# Altium PCB BreakOutBoard_Cyclone.PcbDoc (part 5 of 6)
Units mm, origin at the board's own origin, x right, y up, seen from the top; angles counter-clockwise.
Board outline 360 x 235.6 mm, 2 copper layers (Top Layer, Bottom Layer); 147 components, 204 nets, 2829 pads, 66 vias.
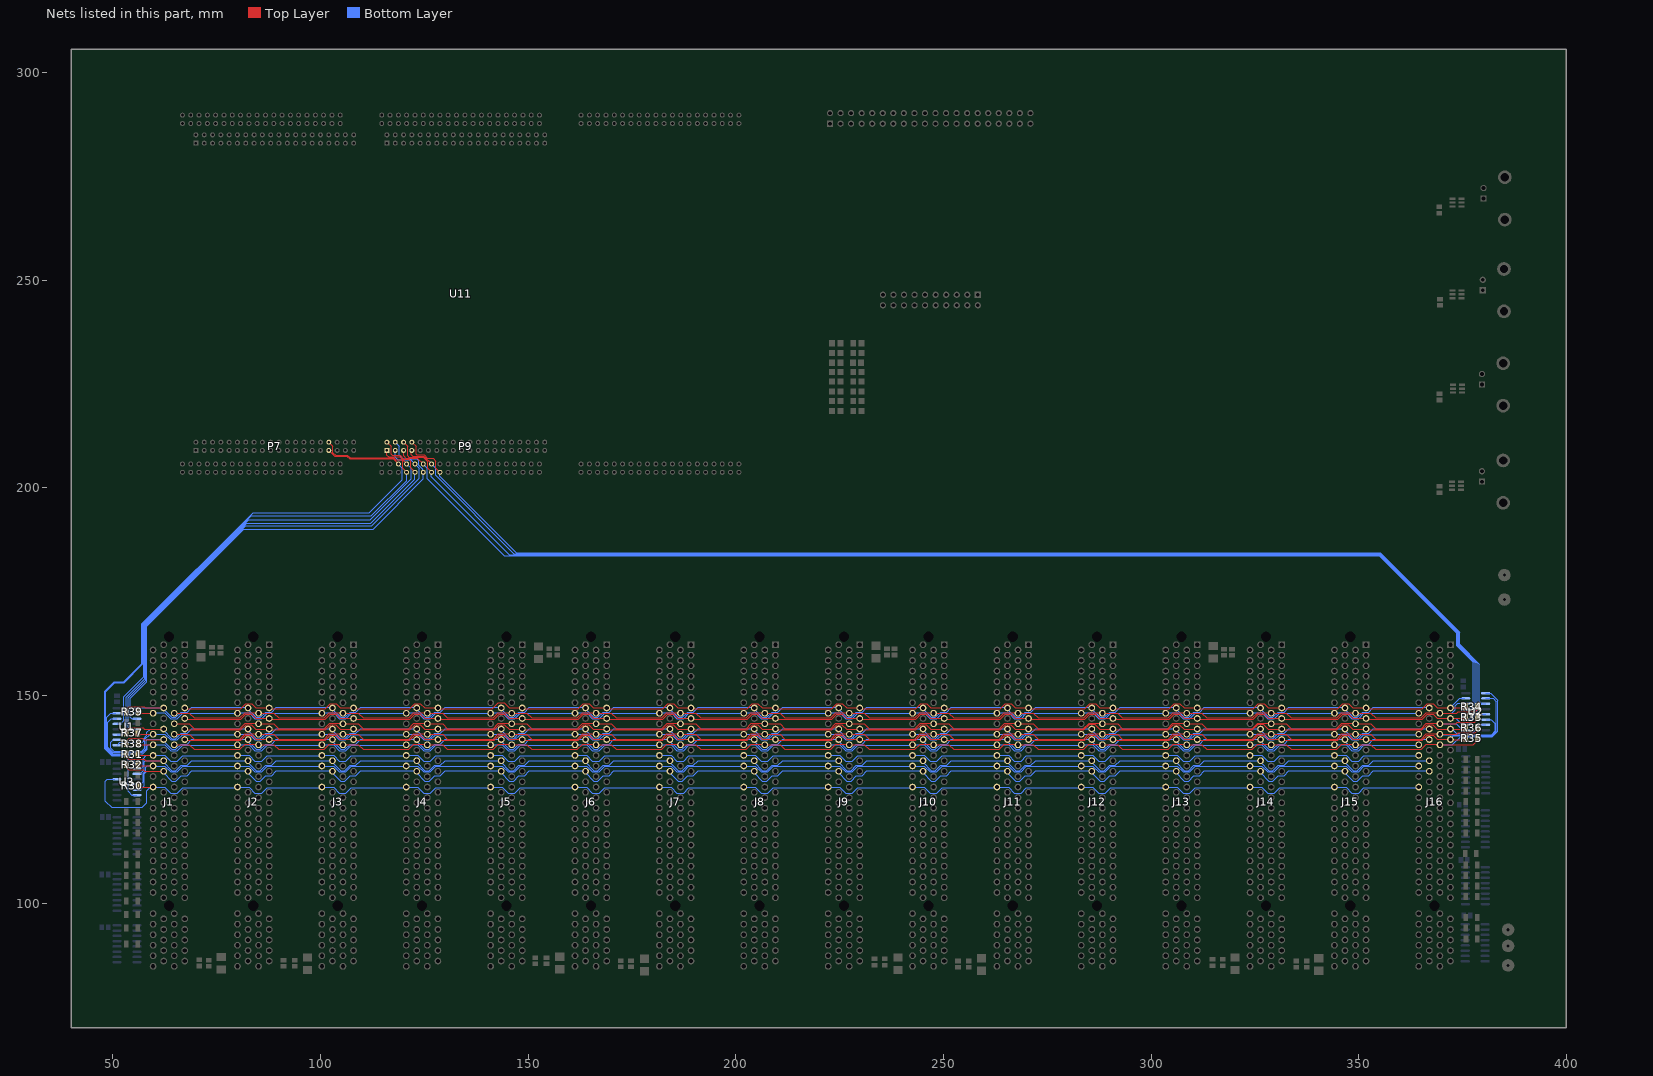
[diagram p5: the nets of this part, all layers, seen from the top]

## Via types
v1: diameter 0.6, hole 0.3, Top Layer to Bottom Layer, 50 vias
v2: diameter 5.5, hole 4.5, Top Layer to Bottom Layer, 15 vias
v3: diameter 1, hole 0.5, Top Layer to Bottom Layer, 1 vias

## Nets (pads, with @x,y where several pads share a name; then routed paths per layer and width w, separated by ;. In a path a pad name is that pad's centre, name@x,y a point inside that pad or via, vN(x,y) a via of type N, cw(c..) or ccw(c..) an arc to the next point about the centre after c; other vN are vias at no path point) (continued)
BUS29_P: J1.88 J2.88 J3.88 J4.88 J5.88 J6.88 J7.88 J8.88 J9.88 J10.88 J11.88 J12.88 J13.88 J14.88 J15.88 J16.88 R30.2 U3.13 | length 349.1
  Top Layer w0.127: R30.2@56.1,128.3 56.447,127.953 J1.88@59.69,127.953
  Bottom Layer w0.127: U3.13@50.4,129.8 48.7,129.8 48.2,129.3 48.2,124.541 49.695,123.046 57.105,123.046 58.208,124.149 58.208,127.108 59.053,127.953 J1.88@59.69,127.953 ; J1.88@59.6,127.9 62.5,127.9 63.9,126.5 65.5,126.5 66.8,127.8 79.758,127.8 J2.88@79.91,127.953 ; J2.88@79.92,127.9 82.82,127.9 84.22,126.5 85.82,126.5 87.12,127.8 100.078,127.8 J3.88@100.23,127.953 ; J3.88@100.24,127.9 103.14,127.9 104.54,126.5 106.14,126.5 107.44,127.8 120.398,127.8 J4.88@120.55,127.953 ; J4.88@120.56,127.9 123.46,127.9 124.86,126.5 126.46,126.5 127.76,127.8 140.718,127.8 J5.88@140.87,127.953 ; J5.88@140.88,127.9 143.78,127.9 145.18,126.5 146.78,126.5 148.08,127.8 161.038,127.8 J6.88@161.19,127.953 ; J6.88@161.2,127.9 164.1,127.9 165.5,126.5 167.1,126.5 168.4,127.8 181.358,127.8 J7.88@181.51,127.953 ; J7.88@181.52,127.9 184.42,127.9 185.82,126.5 187.42,126.5 188.72,127.8 201.678,127.8 J8.88@201.83,127.953 ; J8.88@201.84,127.9 204.74,127.9 206.14,126.5 207.74,126.5 209.04,127.8 221.998,127.8 J9.88@222.15,127.953 ; J9.88@222.16,127.9 225.06,127.9 226.46,126.5 228.06,126.5 229.36,127.8 242.318,127.8 J10.88@242.47,127.953 ; J10.88@242.48,127.9 245.38,127.9 246.78,126.5 248.38,126.5 249.68,127.8 262.638,127.8 J11.88@262.79,127.953 ; J11.88@262.8,127.9 265.7,127.9 267.1,126.5 268.7,126.5 270,127.8 282.958,127.8 J12.88@283.11,127.953 ; J12.88@283.12,127.9 286.02,127.9 287.42,126.5 289.02,126.5 290.32,127.8 303.278,127.8 J13.88@303.43,127.953 ; J13.88@303.44,127.9 306.34,127.9 307.74,126.5 309.34,126.5 310.64,127.8 323.598,127.8 J14.88@323.75,127.953 ; J14.88@323.76,127.9 326.66,127.9 328.06,126.5 329.66,126.5 330.96,127.8 343.918,127.8 J15.88@344.07,127.953 ; J15.88@344.08,127.9 346.98,127.9 348.38,126.5 349.98,126.5 351.28,127.8 364.238,127.8 J16.88@364.39,127.953
BUS30: P7.34 U3.1 U11.1B7 | length 147.4
  Top Layer w0.127: P7.34@102,211 103,210 103,208.5 103.646,207.854 106.483,207.854 107.129,207.208 117.692,207.208 118.1,206.8 119.4,206.8 119.8,206.4 119.8,204.7 U11.1B7@120.75,203.75
  Bottom Layer w0.127: U3.1@55.8,133.645 53.745,135.7 49.882,135.7 48.246,137.336 48.246,150.946 50.4,153.1 52.7,153.1 57.184,157.584 57.184,167.114 83.33,193.26 112.26,193.26 120.77,201.77 U11.1B7@120.77,203.7
BUS30_N: J1.82 J2.82 J3.82 J4.82 J5.82 J6.82 J7.82 J8.82 J9.82 J10.82 J11.82 J12.82 J13.82 J14.82 J15.82 J16.82 R31.1 U3.2 | length 331.5
  Top Layer w0.127: R31.1@56,135.9 56.327,135.572 J1.82@59.69,135.572
  Bottom Layer w0.127: U3.2@56.8,132.4 57.3,132.9 57.3,134.8 58.073,135.572 J1.82@59.69,135.572 ; J1.82@59.6,135.6 62.5,135.6 63.9,134.2 65.5,134.2 66.8,135.5 79.758,135.5 J2.82@79.91,135.652 ; J2.82@79.92,135.6 82.82,135.6 84.22,134.2 85.82,134.2 87.12,135.5 100.078,135.5 J3.82@100.23,135.652 ; J3.82@100.24,135.6 103.14,135.6 104.54,134.2 106.14,134.2 107.44,135.5 120.398,135.5 J4.82@120.55,135.652 ; J4.82@120.56,135.6 123.46,135.6 124.86,134.2 126.46,134.2 127.76,135.5 140.718,135.5 J5.82@140.87,135.652 ; J5.82@140.88,135.6 143.78,135.6 145.18,134.2 146.78,134.2 148.08,135.5 161.038,135.5 J6.82@161.19,135.652 ; J6.82@161.2,135.6 164.1,135.6 165.5,134.2 167.1,134.2 168.4,135.5 181.358,135.5 J7.82@181.51,135.652 ; J7.82@181.52,135.6 184.42,135.6 185.82,134.2 187.42,134.2 188.72,135.5 201.678,135.5 J8.82@201.83,135.652 ; J8.82@201.84,135.6 204.74,135.6 206.14,134.2 207.74,134.2 209.04,135.5 221.998,135.5 J9.82@222.15,135.652 ; J9.82@222.16,135.6 225.06,135.6 226.46,134.2 228.06,134.2 229.36,135.5 242.318,135.5 J10.82@242.47,135.652 ; J10.82@242.48,135.6 245.38,135.6 246.78,134.2 248.38,134.2 249.68,135.5 262.638,135.5 J11.82@262.79,135.652 ; J11.82@262.8,135.6 265.7,135.6 267.1,134.2 268.7,134.2 270,135.5 282.958,135.5 J12.82@283.11,135.652 ; J12.82@283.12,135.6 286.02,135.6 287.42,134.2 289.02,134.2 290.32,135.5 303.278,135.5 J13.82@303.43,135.652 ; J13.82@303.44,135.6 306.34,135.6 307.74,134.2 309.34,134.2 310.64,135.5 323.598,135.5 J14.82@323.75,135.652 ; J14.82@323.76,135.6 326.66,135.6 328.06,134.2 329.66,134.2 330.96,135.5 343.918,135.5 J15.82@344.07,135.652 ; J15.82@344.08,135.6 346.98,135.6 348.38,134.2 349.98,134.2 351.28,135.5 364.238,135.5 J16.82@364.39,135.652
BUS30_P: J1.83 J2.83 J3.83 J4.83 J5.83 J6.83 J7.83 J8.83 J9.83 J10.83 J11.83 J12.83 J13.83 J14.83 J15.83 J16.83 R31.2 U3.3 | length 355.4
  Top Layer w0.127: R31.2@53.2,135.3 53.8,134.7 57.5,134.7 57.897,134.302 J1.83@62.23,134.302
  Bottom Layer w0.127: U3.3@56.6,131.1 57.6,132.1 57.6,134.046 57.856,134.302 J1.83@62.23,134.302 ; J1.83@62.1,134.3 62.1,134 64.2,131.9 65.2,131.9 66.5,133.2 67.9,133.2 69.023,134.322 J2.83@82.45,134.322 ; J2.83@82.42,134.3 82.42,134 84.52,131.9 85.52,131.9 86.82,133.2 88.22,133.2 89.343,134.322 J3.83@102.77,134.322 ; J3.83@102.74,134.3 102.74,134 104.84,131.9 105.84,131.9 107.14,133.2 108.54,133.2 109.663,134.322 J4.83@123.09,134.322 ; J4.83@123.06,134.3 123.06,134 125.16,131.9 126.16,131.9 127.46,133.2 128.86,133.2 129.983,134.322 J5.83@143.41,134.322 ; J5.83@143.38,134.3 143.38,134 145.48,131.9 146.48,131.9 147.78,133.2 149.18,133.2 150.303,134.322 J6.83@163.73,134.322 ; J6.83@163.7,134.3 163.7,134 165.8,131.9 166.8,131.9 168.1,133.2 169.5,133.2 170.623,134.322 J7.83@184.05,134.322 ; J7.83@184.02,134.3 184.02,134 186.12,131.9 187.12,131.9 188.42,133.2 189.82,133.2 190.943,134.322 J8.83@204.37,134.322 ; J8.83@204.34,134.3 204.34,134 206.44,131.9 207.44,131.9 208.74,133.2 210.14,133.2 211.263,134.322 J9.83@224.69,134.322 ; J9.83@224.66,134.3 224.66,134 226.76,131.9 227.76,131.9 229.06,133.2 230.46,133.2 231.583,134.322 J10.83@245.01,134.322 ; J10.83@244.98,134.3 244.98,134 247.08,131.9 248.08,131.9 249.38,133.2 250.78,133.2 251.903,134.322 J11.83@265.33,134.322 ; J11.83@265.3,134.3 265.3,134 267.4,131.9 268.4,131.9 269.7,133.2 271.1,133.2 272.223,134.322 J12.83@285.65,134.322 ; J12.83@285.62,134.3 285.62,134 287.72,131.9 288.72,131.9 290.02,133.2 291.42,133.2 292.543,134.322 J13.83@305.97,134.322 ; J13.83@305.94,134.3 305.94,134 308.04,131.9 309.04,131.9 310.34,133.2 311.74,133.2 312.863,134.322 J14.83@326.29,134.322 ; J14.83@326.26,134.3 326.26,134 328.36,131.9 329.36,131.9 330.66,133.2 332.06,133.2 333.183,134.322 J15.83@346.61,134.322 ; J15.83@346.58,134.3 346.58,134 348.68,131.9 349.68,131.9 350.98,133.2 352.38,133.2 353.503,134.322 J16.83@366.93,134.322
BUS31: P7.33 U3.7 U11.1B6 | length 151.5
  Top Layer w0.127: P7.33@102,209 103.03,207.97 103.4,207.6 106.378,207.6 107.024,206.954 117.546,206.954 U11.1B6@118.75,205.75
  Bottom Layer w0.127: U3.7@55.8,126.025 54.575,126.025 53.7,126.9 53.7,134.7 52.954,135.446 49.776,135.446 47.992,137.23 47.992,151.051 50.295,153.354 52.595,153.354 56.93,157.689 56.93,167.219 83.771,194.06 111.8,194.06 119.73,201.99 119.73,204.73 U11.1B6@118.74,205.72
BUS31_N: J1.85 J2.85 J3.85 J4.85 J5.85 J6.85 J7.85 J8.85 J9.85 J10.85 J11.85 J12.85 J13.85 J14.85 J15.85 J16.85 R32.1 U3.6 | length 356.3
  Top Layer w0.127: R32.1@53.3,132.6 53.8,132.1 57.3,132.1 57.637,131.762 J1.85@62.23,131.762
  Bottom Layer w0.127: U3.6@56.6,127.3 57.6,128.3 57.6,131.146 58.217,131.762 J1.85@62.23,131.762 ; J1.85@62.1,131.8 62.1,131.5 64.2,129.4 65.2,129.4 66.5,130.7 67.9,130.7 69.023,131.822 J2.85@82.45,131.822 ; J2.85@82.42,131.8 82.42,131.5 84.52,129.4 85.52,129.4 86.82,130.7 88.22,130.7 89.343,131.822 J3.85@102.77,131.822 ; J3.85@102.74,131.8 102.74,131.5 104.84,129.4 105.84,129.4 107.14,130.7 108.54,130.7 109.663,131.822 J4.85@123.09,131.822 ; J4.85@123.06,131.8 123.06,131.5 125.16,129.4 126.16,129.4 127.46,130.7 128.86,130.7 129.983,131.822 J5.85@143.41,131.822 ; J5.85@143.38,131.8 143.38,131.5 145.48,129.4 146.48,129.4 147.78,130.7 149.18,130.7 150.303,131.822 J6.85@163.73,131.822 ; J6.85@163.7,131.8 163.7,131.5 165.8,129.4 166.8,129.4 168.1,130.7 169.5,130.7 170.623,131.822 J7.85@184.05,131.822 ; J7.85@184.02,131.8 184.02,131.5 186.12,129.4 187.12,129.4 188.42,130.7 189.82,130.7 190.943,131.822 J8.85@204.37,131.822 ; J8.85@204.34,131.8 204.34,131.5 206.44,129.4 207.44,129.4 208.74,130.7 210.14,130.7 211.263,131.822 J9.85@224.69,131.822 ; J9.85@224.66,131.8 224.66,131.5 226.76,129.4 227.76,129.4 229.06,130.7 230.46,130.7 231.583,131.822 J10.85@245.01,131.822 ; J10.85@244.98,131.8 244.98,131.5 247.08,129.4 248.08,129.4 249.38,130.7 250.78,130.7 251.903,131.822 J11.85@265.33,131.822 ; J11.85@265.3,131.8 265.3,131.5 267.4,129.4 268.4,129.4 269.7,130.7 271.1,130.7 272.223,131.822 J12.85@285.65,131.822 ; J12.85@285.62,131.8 285.62,131.5 287.72,129.4 288.72,129.4 290.02,130.7 291.42,130.7 292.543,131.822 J13.85@305.97,131.822 ; J13.85@305.94,131.8 305.94,131.5 308.04,129.4 309.04,129.4 310.34,130.7 311.74,130.7 312.863,131.822 J14.85@326.29,131.822 ; J14.85@326.26,131.8 326.26,131.5 328.36,129.4 329.36,129.4 330.66,130.7 332.06,130.7 333.183,131.822 J15.85@346.61,131.822 ; J15.85@346.58,131.8 346.58,131.5 348.68,129.4 349.68,129.4 350.98,130.7 352.38,130.7 353.503,131.822 J16.85@366.93,131.822
BUS31_P: J1.84 J2.84 J3.84 J4.84 J5.84 J6.84 J7.84 J8.84 J9.84 J10.84 J11.84 J12.84 J13.84 J14.84 J15.84 J16.84 R32.2 U3.5 | length 332.7
  Top Layer w0.127: R32.2@56.1,133.3 56.367,133.032 J1.84@59.69,133.032
  Bottom Layer w0.127: U3.5@56.6,128.5 57.3,129.2 57.3,131.3 57.9,131.9 57.9,132.7 58.233,133.032 J1.84@59.69,133.032 ; J1.84@59.6,133 62.5,133 63.9,131.6 65.5,131.6 66.8,132.9 79.758,132.9 J2.84@79.91,133.052 ; J2.84@79.92,133 82.82,133 84.22,131.6 85.82,131.6 87.12,132.9 100.078,132.9 J3.84@100.23,133.052 ; J3.84@100.24,133 103.14,133 104.54,131.6 106.14,131.6 107.44,132.9 120.398,132.9 J4.84@120.55,133.052 ; J4.84@120.56,133 123.46,133 124.86,131.6 126.46,131.6 127.76,132.9 140.718,132.9 J5.84@140.87,133.052 ; J5.84@140.88,133 143.78,133 145.18,131.6 146.78,131.6 148.08,132.9 161.038,132.9 J6.84@161.19,133.052 ; J6.84@161.2,133 164.1,133 165.5,131.6 167.1,131.6 168.4,132.9 181.358,132.9 J7.84@181.51,133.052 ; J7.84@181.52,133 184.42,133 185.82,131.6 187.42,131.6 188.72,132.9 201.678,132.9 J8.84@201.83,133.052 ; J8.84@201.84,133 204.74,133 206.14,131.6 207.74,131.6 209.04,132.9 221.998,132.9 J9.84@222.15,133.052 ; J9.84@222.16,133 225.06,133 226.46,131.6 228.06,131.6 229.36,132.9 242.318,132.9 J10.84@242.47,133.052 ; J10.84@242.48,133 245.38,133 246.78,131.6 248.38,131.6 249.68,132.9 262.638,132.9 J11.84@262.79,133.052 ; J11.84@262.8,133 265.7,133 267.1,131.6 268.7,131.6 270,132.9 282.958,132.9 J12.84@283.11,133.052 ; J12.84@283.12,133 286.02,133 287.42,131.6 289.02,131.6 290.32,132.9 303.278,132.9 J13.84@303.43,133.052 ; J13.84@303.44,133 306.34,133 307.74,131.6 309.34,131.6 310.64,132.9 323.598,132.9 J14.84@323.75,133.052 ; J14.84@323.76,133 326.66,133 328.06,131.6 329.66,131.6 330.96,132.9 343.918,132.9 J15.84@344.07,133.052 ; J15.84@344.08,133 346.98,133 348.38,131.6 349.98,131.6 351.28,132.9 364.238,132.9 J16.84@364.39,133.052
BUS32: P9.6 U2.11 U11.1B13 | length 300.1
  Top Layer w0.127: P9.6@120,211 121,210 121,207.7 121.292,207.408 124.692,207.408 125.8,206.3 125.8,204.7 U11.1B13@126.75,203.75
  Bottom Layer w0.127: U11.1B13@126.7,203.77 126.7,202.66 145.466,183.894 355.025,183.894 373.874,165.045 373.874,162.075 378.08,157.869 378.08,145.38 376.895,144.195 U2.11@375.8,144.195
BUS32_N: J1.15 J2.15 J3.15 J4.15 J5.15 J6.15 J7.15 J8.15 J9.15 J10.15 J11.15 J12.15 J13.15 J14.15 J15.15 J16.15 R33.1 U2.10 | length 322.4
  Top Layer w0.127: J1.15@67.506,144.306 80.835,144.306 82.032,145.503 83.436,145.503 84.437,144.502 J2.15@87.63,144.502 ; J2.15@87.826,144.306 101.155,144.306 102.352,145.503 103.756,145.503 104.757,144.502 J3.15@107.95,144.502 ; J3.15@108.146,144.306 121.475,144.306 122.672,145.503 124.076,145.503 125.077,144.502 J4.15@128.27,144.502 ; J4.15@128.466,144.306 141.795,144.306 142.992,145.503 144.396,145.503 145.397,144.502 J5.15@148.59,144.502 ; J5.15@148.786,144.306 162.115,144.306 163.312,145.503 164.716,145.503 165.717,144.502 J6.15@168.91,144.502 ; J6.15@169.106,144.306 182.435,144.306 183.632,145.503 185.036,145.503 186.037,144.502 J7.15@189.23,144.502 ; J7.15@189.426,144.306 202.755,144.306 203.952,145.503 205.356,145.503 206.357,144.502 J8.15@209.55,144.502 ; J8.15@209.746,144.306 223.075,144.306 224.272,145.503 225.676,145.503 226.677,144.502 J9.15@229.87,144.502 ; J9.15@230.066,144.306 243.395,144.306 244.592,145.503 245.996,145.503 246.997,144.502 J10.15@250.19,144.502 ; J10.15@250.386,144.306 263.715,144.306 264.912,145.503 266.316,145.503 267.317,144.502 J11.15@270.51,144.502 ; J11.15@270.706,144.306 284.035,144.306 285.232,145.503 286.636,145.503 287.637,144.502 J12.15@290.83,144.502 ; J12.15@291.026,144.306 304.355,144.306 305.552,145.503 306.956,145.503 307.957,144.502 J13.15@311.15,144.502 ; J13.15@311.346,144.306 324.675,144.306 325.872,145.503 327.276,145.503 328.277,144.502 J14.15@331.47,144.502 ; J14.15@331.666,144.306 344.995,144.306 346.192,145.503 347.596,145.503 348.597,144.502 J15.15@351.79,144.502 ; J15.15@351.986,144.306 365.315,144.306 366.512,145.503 367.916,145.503 368.917,144.502 J16.15@372.11,144.502 ; J16.15@372.11,144.463 R33.1@375.563,144.463
  Bottom Layer w0.127: J16.15@372.11,144.463 373.438,144.463 U2.10@374.9,143
BUS32_P: J1.16 J2.16 J3.16 J4.16 J5.16 J6.16 J7.16 J8.16 J9.16 J10.16 J11.16 J12.16 J13.16 J14.16 J15.16 J16.16 R33.2 U2.9 | length 334.8
  Top Layer w0.127: J1.16@64.77,143.173 68.428,143.173 69.6,142 80.6,142 81.854,143.254 85.008,143.254 J2.16@85.032,143.23 ; J2.16@85.09,143.173 88.748,143.173 89.92,142 100.92,142 102.174,143.254 105.328,143.254 J3.16@105.352,143.23 ; J3.16@105.41,143.173 109.068,143.173 110.24,142 121.24,142 122.494,143.254 125.648,143.254 J4.16@125.672,143.23 ; J4.16@125.73,143.173 129.388,143.173 130.56,142 141.56,142 142.814,143.254 145.968,143.254 J5.16@145.992,143.23 ; J5.16@146.05,143.173 149.708,143.173 150.88,142 161.88,142 163.134,143.254 166.288,143.254 J6.16@166.312,143.23 ; J6.16@166.37,143.173 170.028,143.173 171.2,142 182.2,142 183.454,143.254 186.608,143.254 J7.16@186.632,143.23 ; J7.16@186.69,143.173 190.348,143.173 191.52,142 202.52,142 203.774,143.254 206.928,143.254 J8.16@206.952,143.23 ; J8.16@207.01,143.173 210.668,143.173 211.84,142 222.84,142 224.094,143.254 227.248,143.254 J9.16@227.272,143.23 ; J9.16@227.33,143.173 230.988,143.173 232.16,142 243.16,142 244.414,143.254 247.568,143.254 J10.16@247.592,143.23 ; J10.16@247.65,143.173 251.308,143.173 252.48,142 263.48,142 264.734,143.254 267.888,143.254 J11.16@267.912,143.23 ; J11.16@267.97,143.173 271.628,143.173 272.8,142 283.741,142 285.095,143.354 288.108,143.354 J12.16@288.232,143.23 ; J12.16@288.29,143.173 291.948,143.173 293.12,142 304.041,142 305.295,143.254 308.528,143.254 J13.16@308.552,143.23 ; J13.16@308.61,143.173 312.268,143.173 313.44,142 324.341,142 325.695,143.354 328.748,143.354 J14.16@328.872,143.23 ; J14.16@328.93,143.173 332.588,143.173 333.76,142 344.641,142 345.895,143.254 349.168,143.254 J15.16@349.192,143.23 ; J15.16@349.25,143.173 352.908,143.173 354.08,142 365.08,142 366.334,143.254 369.488,143.254 J16.16@369.512,143.23 ; J16.16@369.57,143.192 373.392,143.192 373.7,143.5 378,143.5 R33.2@378.6,144.1
  Bottom Layer w0.127: J16.16@369.57,143.192 373.508,143.192 U2.9@375,141.7
BUS33: P9.5 U2.13 U11.1B12 | length 295.3
  Top Layer w0.127: P9.5@120,209 120,207.7 120.546,207.154 123.346,207.154 U11.1B12@124.75,205.75
  Bottom Layer w0.127: U11.1B12@124.78,205.72 125.73,204.77 125.73,202.2 144.29,183.64 354.92,183.64 373.62,164.94 373.62,161.97 377.6,157.99 377.6,147.5 376.835,146.735 U2.13@375.8,146.735
BUS33_N: J1.14 J2.14 J3.14 J4.14 J5.14 J6.14 J7.14 J8.14 J9.14 J10.14 J11.14 J12.14 J13.14 J14.14 J15.14 J16.14 R34.1 U2.14 | length 336.1
  Top Layer w0.127: J1.14@64.77,145.772 68.428,145.772 69.6,144.6 80.6,144.6 81.83,145.83 J2.14@85.032,145.83 ; J2.14@85.09,145.772 88.748,145.772 89.92,144.6 100.92,144.6 102.15,145.83 J3.14@105.352,145.83 ; J3.14@105.41,145.772 109.068,145.772 110.24,144.6 121.24,144.6 122.47,145.83 J4.14@125.672,145.83 ; J4.14@125.73,145.772 129.388,145.772 130.56,144.6 141.56,144.6 142.79,145.83 J5.14@145.992,145.83 ; J5.14@146.05,145.772 149.708,145.772 150.88,144.6 161.88,144.6 163.11,145.83 J6.14@166.312,145.83 ; J6.14@166.37,145.772 170.028,145.772 171.2,144.6 182.2,144.6 183.43,145.83 J7.14@186.632,145.83 ; J7.14@186.69,145.772 190.348,145.772 191.52,144.6 202.52,144.6 203.75,145.83 J8.14@206.952,145.83 ; J8.14@207.01,145.772 210.668,145.772 211.84,144.6 222.84,144.6 224.07,145.83 J9.14@227.272,145.83 ; J9.14@227.33,145.772 230.988,145.772 232.16,144.6 243.16,144.6 244.39,145.83 J10.14@247.592,145.83 ; J10.14@247.65,145.772 251.308,145.772 252.48,144.6 263.48,144.6 264.71,145.83 J11.14@267.912,145.83 ; J11.14@267.97,145.772 271.628,145.772 272.8,144.6 283.8,144.6 285.03,145.83 J12.14@288.232,145.83 ; J12.14@288.29,145.772 291.948,145.772 293.12,144.6 304.12,144.6 305.35,145.83 J13.14@308.552,145.83 ; J13.14@308.61,145.772 312.268,145.772 313.44,144.6 324.44,144.6 325.67,145.83 J14.14@328.872,145.83 ; J14.14@328.93,145.772 332.588,145.772 333.76,144.6 344.76,144.6 345.99,145.83 J15.14@349.192,145.83 ; J15.14@349.25,145.772 352.908,145.772 354.08,144.6 365.08,144.6 366.31,145.83 J16.14@369.512,145.83 ; J16.14@369.57,145.732 373.632,145.732 374,146.1 378.1,146.1 R34.1@378.7,146.7
  Bottom Layer w0.127: J16.14@369.57,145.732 372.433,145.732 373.3,146.6 373.3,147.5 373.9,148.1 U2.14@375.8,148.1
BUS33_P: J1.13 J2.13 J3.13 J4.13 J5.13 J6.13 J7.13 J8.13 J9.13 J10.13 J11.13 J12.13 J13.13 J14.13 J15.13 J16.13 R34.2 U2.15 | length 323.8
  Top Layer w0.127: J1.13@67.506,146.806 80.835,146.806 82.032,148.003 83.436,148.003 84.437,147.002 J2.13@87.63,147.002 ; J2.13@87.826,146.806 101.155,146.806 102.352,148.003 103.756,148.003 104.757,147.002 J3.13@107.95,147.002 ; J3.13@108.146,146.806 121.475,146.806 122.672,148.003 124.076,148.003 125.077,147.002 J4.13@128.27,147.002 ; J4.13@128.466,146.806 141.406,146.806 142.8,148.2 144.199,148.2 145.397,147.002 J5.13@148.59,147.002 ; J5.13@148.786,146.806 162.115,146.806 163.312,148.003 164.716,148.003 165.717,147.002 J6.13@168.91,147.002 ; J6.13@169.106,146.806 182.435,146.806 183.632,148.003 185.036,148.003 186.037,147.002 J7.13@189.23,147.002 ; J7.13@189.426,146.806 202.755,146.806 203.952,148.003 205.356,148.003 206.357,147.002 J8.13@209.55,147.002 ; J8.13@209.746,146.806 223.075,146.806 224.272,148.003 225.676,148.003 226.677,147.002 J9.13@229.87,147.002 ; J9.13@230.066,146.806 243.395,146.806 244.592,148.003 245.996,148.003 246.997,147.002 J10.13@250.19,147.002 ; J10.13@250.386,146.806 263.715,146.806 264.912,148.003 266.316,148.003 267.317,147.002 J11.13@270.51,147.002 ; J11.13@270.706,146.806 284.035,146.806 285.232,148.003 286.636,148.003 287.637,147.002 J12.13@290.83,147.002 ; J12.13@291.026,146.806 304.355,146.806 305.552,148.003 306.956,148.003 307.957,147.002 J13.13@311.15,147.002 ; J13.13@311.346,146.806 324.675,146.806 325.872,148.003 327.276,148.003 328.277,147.002 J14.13@331.47,147.002 ; J14.13@331.666,146.806 344.995,146.806 346.192,148.003 347.596,148.003 348.597,147.002 J15.13@351.79,147.002 ; J15.13@351.986,146.806 365.315,146.806 366.512,148.003 367.916,148.003 368.917,147.002 J16.13@372.11,147.002 375.303,147.002 R34.2@375.7,147.4
  Bottom Layer w0.127: J16.13@372.11,147.002 374.408,149.3 U2.15@375.5,149.3
BUS34: P9.8 U2.3 U11.1B15 | length 294.4
  Top Layer w0.127: P9.8@122,211 123,210 123,208.116 123.2,207.916 124.943,207.916 125.759,207.1 127.1,207.1 127.8,206.4 127.8,204.7 U11.1B15@128.75,203.75 U11.1B15@128.8,203.7
  Bottom Layer w0.127: U11.1B15@128.75,203.72 128.75,202.77 147.118,184.402 355.236,184.402 374.382,165.256 374.382,162.286 379.1,157.568 379.1,148.6 379.695,148.005 U2.3@380.6,148.005
BUS34_N: J1.19 J2.19 J3.19 J4.19 J5.19 J6.19 J7.19 J8.19 J9.19 J10.19 J11.19 J12.19 J13.19 J14.19 J15.19 J16.19 R35.1 U2.2 | length 341.1
  Top Layer w0.127: J1.19@67.506,139.206 80.835,139.206 82.032,140.403 83.436,140.403 84.437,139.402 J2.19@87.63,139.402 ; J2.19@87.826,139.206 101.155,139.206 102.352,140.403 103.756,140.403 104.757,139.402 J3.19@107.95,139.402 ; J3.19@108.146,139.206 121.475,139.206 122.672,140.403 124.076,140.403 125.077,139.402 J4.19@128.27,139.402 ; J4.19@128.466,139.206 141.795,139.206 142.992,140.403 144.396,140.403 145.397,139.402 J5.19@148.59,139.402 ; J5.19@148.786,139.206 162.115,139.206 163.312,140.403 164.716,140.403 165.717,139.402 J6.19@168.91,139.402 ; J6.19@169.106,139.206 182.435,139.206 183.632,140.403 185.036,140.403 186.037,139.402 J7.19@189.23,139.402 ; J7.19@189.426,139.206 202.755,139.206 203.952,140.403 205.356,140.403 206.357,139.402 J8.19@209.55,139.402 ; J8.19@209.746,139.206 223.075,139.206 224.272,140.403 225.676,140.403 226.677,139.402 J9.19@229.87,139.402 ; J9.19@230.066,139.206 243.395,139.206 244.592,140.403 245.996,140.403 246.997,139.402 J10.19@250.19,139.402 ; J10.19@250.386,139.206 263.715,139.206 264.912,140.403 266.316,140.403 267.317,139.402 J11.19@270.51,139.402 ; J11.19@270.706,139.206 284.035,139.206 285.232,140.403 286.636,140.403 287.637,139.402 J12.19@290.83,139.402 ; J12.19@291.026,139.206 304.355,139.206 305.552,140.403 306.956,140.403 307.957,139.402 J13.19@311.15,139.402 ; J13.19@311.346,139.206 324.675,139.206 325.872,140.403 327.276,140.403 328.277,139.402 J14.19@331.47,139.402 ; J14.19@331.666,139.206 344.995,139.206 346.192,140.403 347.596,140.403 348.597,139.402 J15.19@351.79,139.402 ; J15.19@351.986,139.206 365.315,139.206 366.512,140.403 367.916,140.403 368.917,139.402 J16.19@372.11,139.402 ; J16.19@372.11,139.382 375.583,139.382 R35.1@375.8,139.6
  Bottom Layer w0.127: J16.19@372.1,139.6 372.846,140.346 382.105,140.346 383.2,141.441 383.2,148.5 382.425,149.275 U2.2@380.6,149.275
BUS34_P: J1.20 J2.20 J3.20 J4.20 J5.20 J6.20 J7.20 J8.20 J9.20 J10.20 J11.20 J12.20 J13.20 J14.20 J15.20 J16.20 R35.2 U2.1 | length 354.8
  Top Layer w0.127: J1.20@64.77,138.172 68.428,138.172 69.6,137 80.6,137 81.83,138.23 J2.20@85.032,138.23 ; J2.20@85.09,138.172 88.748,138.172 89.92,137 100.92,137 102.15,138.23 J3.20@105.352,138.23 ; J3.20@105.41,138.172 109.068,138.172 110.24,137 121.24,137 122.47,138.23 J4.20@125.672,138.23 ; J4.20@125.73,138.172 129.388,138.172 130.56,137 141.56,137 142.79,138.23 J5.20@145.992,138.23 ; J5.20@146.05,138.172 149.708,138.172 150.88,137 161.88,137 163.11,138.23 J6.20@166.312,138.23 ; J6.20@166.37,138.172 170.028,138.172 171.2,137 182.2,137 183.43,138.23 J7.20@186.632,138.23 ; J7.20@186.69,138.172 190.348,138.172 191.52,137 202.52,137 203.75,138.23 J8.20@206.952,138.23 ; J8.20@207.01,138.172 210.668,138.172 211.84,137 222.84,137 224.07,138.23 J9.20@227.272,138.23 ; J9.20@227.33,138.172 230.988,138.172 232.16,137 243.16,137 244.39,138.23 J10.20@247.592,138.23 ; J10.20@247.65,138.172 251.308,138.172 252.48,137 263.48,137 264.71,138.23 J11.20@267.912,138.23 ; J11.20@267.97,138.172 271.628,138.172 272.8,137 283.8,137 285.03,138.23 J12.20@288.232,138.23 ; J12.20@288.29,138.172 291.948,138.172 293.12,137 304.12,137 305.35,138.23 J13.20@308.552,138.23 ; J13.20@308.61,138.172 312.268,138.172 313.44,137 324.44,137 325.67,138.23 J14.20@328.872,138.23 ; J14.20@328.93,138.172 332.588,138.172 333.76,137 344.76,137 345.99,138.23 J15.20@349.192,138.23 ; J15.20@349.25,138.172 352.908,138.172 354.08,137 365.08,137 366.31,138.23 J16.20@369.512,138.23 ; J16.20@369.57,138.112 377.612,138.112 R35.2@378.6,139.1
  Bottom Layer w0.127: J16.20@369.5,138.1 372.6,138.1 374.592,140.092 382.21,140.092 383.5,141.382 383.5,148.91 381.865,150.545 U2.1@380.6,150.545
BUS35: P9.7 U2.5 U11.1B14 | length 295.2
  Top Layer w0.127: P9.7@121.9,209 121.9,208 122.238,207.662 124.838,207.662 U11.1B14@126.75,205.75
  Bottom Layer w0.127: U11.1B14@126.8,205.67 127.74,204.73 127.74,202.98 146.572,184.148 355.13,184.148 374.128,165.15 374.128,162.18 378.56,157.748 378.56,145.94 379.035,145.465 U2.5@380.6,145.465
BUS35_N: J1.18 J2.18 J3.18 J4.18 J5.18 J6.18 J7.18 J8.18 J9.18 J10.18 J11.18 J12.18 J13.18 J14.18 J15.18 J16.18 R36.1 U2.6 | length 346.5
  Top Layer w0.127: J1.18@64.77,140.672 68.428,140.672 69.6,139.5 80.6,139.5 81.83,140.73 J2.18@85.032,140.73 ; J2.18@85.09,140.672 88.748,140.672 89.92,139.5 100.92,139.5 102.15,140.73 J3.18@105.352,140.73 ; J3.18@105.41,140.672 109.068,140.672 110.24,139.5 121.24,139.5 122.47,140.73 J4.18@125.672,140.73 ; J4.18@125.73,140.672 129.388,140.672 130.56,139.5 141.56,139.5 142.79,140.73 J5.18@145.992,140.73 ; J5.18@146.05,140.672 149.708,140.672 150.88,139.5 161.88,139.5 163.11,140.73 J6.18@166.312,140.73 ; J6.18@166.37,140.672 170.028,140.672 171.2,139.5 182.2,139.5 183.43,140.73 J7.18@186.632,140.73 ; J7.18@186.69,140.672 190.348,140.672 191.52,139.5 202.52,139.5 203.75,140.73 J8.18@206.952,140.73 ; J8.18@207.01,140.672 210.668,140.672 211.84,139.5 222.84,139.5 224.07,140.73 J9.18@227.272,140.73 ; J9.18@227.33,140.672 230.988,140.672 232.16,139.5 243.16,139.5 244.39,140.73 J10.18@247.592,140.73 ; J10.18@247.65,140.672 251.308,140.672 252.48,139.5 263.48,139.5 264.71,140.73 J11.18@267.912,140.73 ; J11.18@267.97,140.672 271.628,140.672 272.8,139.5 283.8,139.5 285.03,140.73 J12.18@288.232,140.73 ; J12.18@288.29,140.672 291.948,140.672 293.12,139.5 304.12,139.5 305.35,140.73 J13.18@308.552,140.73 ; J13.18@308.61,140.672 312.268,140.672 313.44,139.5 324.44,139.5 325.67,140.73 J14.18@328.872,140.73 ; J14.18@328.93,140.672 332.588,140.672 333.76,139.5 344.76,139.5 345.99,140.73 J15.18@349.192,140.73 ; J15.18@349.25,140.672 352.908,140.672 354.08,139.5 365.08,139.5 366.31,140.73 J16.18@369.512,140.73 ; J16.18@369.57,140.653 373.652,140.653 374,141 378.1,141 R36.1@378.7,141.6
  Bottom Layer w0.127: J16.18@369.6,140.6 382,140.6 382.9,141.5 382.9,143.2 381.905,144.195 U2.6@380.6,144.195
BUS35_P: J1.17 J2.17 J3.17 J4.17 J5.17 J6.17 J7.17 J8.17 J9.17 J10.17 J11.17 J12.17 J13.17 J14.17 J15.17 J16.17 R36.2 U2.7 | length 330.1
  Top Layer w0.127: J1.17@67.506,141.706 80.835,141.706 82.129,143 83.339,143 84.437,141.903 J2.17@87.63,141.903 ; J2.17@87.826,141.706 101.155,141.706 102.449,143 103.659,143 104.757,141.903 J3.17@107.95,141.903 ; J3.17@108.146,141.706 121.475,141.706 122.769,143 123.979,143 125.077,141.903 J4.17@128.27,141.903 ; J4.17@128.466,141.706 141.795,141.706 143.089,143 144.299,143 145.397,141.903 J5.17@148.59,141.903 ; J5.17@148.786,141.706 162.115,141.706 163.409,143 164.619,143 165.717,141.903 J6.17@168.91,141.903 ; J6.17@169.106,141.706 182.435,141.706 183.729,143 184.939,143 186.037,141.903 J7.17@189.23,141.903 ; J7.17@189.426,141.706 202.755,141.706 204.049,143 205.259,143 206.357,141.903 J8.17@209.55,141.903 ; J8.17@209.746,141.706 223.075,141.706 224.369,143 225.579,143 226.677,141.903 J9.17@229.87,141.903 ; J9.17@230.066,141.706 243.395,141.706 244.689,143 245.899,143 246.997,141.903 J10.17@250.19,141.903 ; J10.17@250.386,141.706 263.715,141.706 265.009,143 266.219,143 267.317,141.903 J11.17@270.51,141.903 ; J11.17@270.706,141.706 283.806,141.706 285.2,143.1 286.439,143.1 287.637,141.903 J12.17@290.83,141.903 ; J12.17@291.026,141.706 304.106,141.706 305.4,143 306.859,143 307.957,141.903 J13.17@311.15,141.903 ; J13.17@311.346,141.706 324.406,141.706 325.8,143.1 327.079,143.1 328.277,141.903 J14.17@331.47,141.903 ; J14.17@331.666,141.706 344.706,141.706 346,143 347.499,143 348.597,141.903 J15.17@351.79,141.903 ; J15.17@351.986,141.706 365.206,141.706 366.5,143 367.819,143 368.917,141.903 J16.17@372.11,141.903 ; J16.17@372.11,141.922 375.722,141.922 R36.2@375.8,142
  Bottom Layer w0.127: J16.17@372.4,142 373.5,140.9 377.4,140.9 379.425,142.925 U2.7@380.6,142.925
BUS36: P9.2 U1.11 U11.1B9 | length 122.8
  Top Layer w0.127: P9.2@116,211 117,210 117,208.1 117.3,207.8 119.2,207.8 120.1,206.9 121.2,206.9 121.7,206.4 121.7,204.8 U11.1B9@122.75,203.75
  Bottom Layer w0.127: U1.11@51,140.595 52.295,140.595 53.2,141.5 53.2,149.56 57.692,154.052 57.692,166.904 82.238,191.45 112.1,191.45 122.7,202.05 U11.1B9@122.7,203.66
BUS36_N: J1.78 J2.78 J3.78 J4.78 J5.78 J6.78 J7.78 J8.78 J9.78 J10.78 J11.78 J12.78 J13.78 J14.78 J15.78 J16.78 R37.1 U1.10 | length 341.8
  Top Layer w0.127: R37.1@56,140.9 56.247,140.653 J1.78@59.69,140.653
  Bottom Layer w0.127: U1.10@50.1,139.3 49.5,138.7 49.5,137.3 50.2,136.6 57,136.6 57.7,137.3 57.7,139.4 58.952,140.653 J1.78@59.69,140.653 ; J1.78@59.6,140.7 62.5,140.7 63.9,139.3 65.5,139.3 66.8,140.6 79.758,140.6 J2.78@79.91,140.752 ; J2.78@79.92,140.7 82.82,140.7 84.22,139.3 85.82,139.3 87.12,140.6 100.078,140.6 J3.78@100.23,140.752 ; J3.78@100.24,140.7 103.14,140.7 104.54,139.3 106.14,139.3 107.44,140.6 120.398,140.6 J4.78@120.55,140.752 ; J4.78@120.56,140.7 123.46,140.7 124.86,139.3 126.46,139.3 127.76,140.6 140.718,140.6 J5.78@140.87,140.752 ; J5.78@140.88,140.7 143.78,140.7 145.18,139.3 146.78,139.3 148.08,140.6 161.038,140.6 J6.78@161.19,140.752 ; J6.78@161.2,140.7 164.1,140.7 165.5,139.3 167.1,139.3 168.4,140.6 181.358,140.6 J7.78@181.51,140.752 ; J7.78@181.52,140.7 184.42,140.7 185.82,139.3 187.42,139.3 188.72,140.6 201.678,140.6 J8.78@201.83,140.752 ; J8.78@201.84,140.7 204.74,140.7 206.14,139.3 207.74,139.3 209.04,140.6 221.998,140.6 J9.78@222.15,140.752 ; J9.78@222.16,140.7 225.06,140.7 226.46,139.3 228.06,139.3 229.36,140.6 242.318,140.6 J10.78@242.47,140.752 ; J10.78@242.48,140.7 245.38,140.7 246.78,139.3 248.38,139.3 249.68,140.6 262.638,140.6 J11.78@262.79,140.752 ; J11.78@262.8,140.7 265.7,140.7 267.1,139.3 268.7,139.3 270,140.6 282.958,140.6 J12.78@283.11,140.752 ; J12.78@283.12,140.7 286.02,140.7 287.42,139.3 289.02,139.3 290.32,140.6 303.278,140.6 J13.78@303.43,140.752 ; J13.78@303.44,140.7 306.34,140.7 307.74,139.3 309.34,139.3 310.64,140.6 323.598,140.6 J14.78@323.75,140.752 ; J14.78@323.76,140.7 326.66,140.7 328.06,139.3 329.66,139.3 330.96,140.6 343.918,140.6 J15.78@344.07,140.752 ; J15.78@344.08,140.7 346.98,140.7 348.38,139.3 349.98,139.3 351.28,140.6 364.238,140.6 J16.78@364.39,140.752
BUS36_P: J1.77 J2.77 J3.77 J4.77 J5.77 J6.77 J7.77 J8.77 J9.77 J10.77 J11.77 J12.77 J13.77 J14.77 J15.77 J16.77 R37.2 U1.9 | length 360.6
  Top Layer w0.127: R37.2@53.4,141.6 54,142.2 57.3,142.2 57.577,141.922 J1.77@62.23,141.922
  Bottom Layer w0.127: U1.9@51,138.055 51.645,138.7 57.1,138.7 57.4,139 57.4,139.6 58.208,140.408 58.208,141.108 59,141.9 J1.77@62.2,141.9 ; J1.77@62.1,142 62.1,141.7 64.2,139.6 65.2,139.6 66.5,140.9 67.9,140.9 69.023,142.022 J2.77@82.45,142.022 ; J2.77@82.42,142 82.42,141.7 84.52,139.6 85.52,139.6 86.82,140.9 88.22,140.9 89.343,142.022 J3.77@102.77,142.022 ; J3.77@102.74,142 102.74,141.7 104.84,139.6 105.84,139.6 107.14,140.9 108.54,140.9 109.663,142.022 J4.77@123.09,142.022 ; J4.77@123.06,142 123.06,141.7 125.16,139.6 126.16,139.6 127.46,140.9 128.86,140.9 129.983,142.022 J5.77@143.41,142.022 ; J5.77@143.38,142 143.38,141.7 145.48,139.6 146.48,139.6 147.78,140.9 149.18,140.9 150.303,142.022 J6.77@163.73,142.022 ; J6.77@163.7,142 163.7,141.7 165.8,139.6 166.8,139.6 168.1,140.9 169.5,140.9 170.623,142.022 J7.77@184.05,142.022 ; J7.77@184.02,142 184.02,141.7 186.12,139.6 187.12,139.6 188.42,140.9 189.82,140.9 190.943,142.022 J8.77@204.37,142.022 ; J8.77@204.34,142 204.34,141.7 206.44,139.6 207.44,139.6 208.74,140.9 210.14,140.9 211.263,142.022 J9.77@224.69,142.022 ; J9.77@224.66,142 224.66,141.7 226.76,139.6 227.76,139.6 229.06,140.9 230.46,140.9 231.583,142.022 J10.77@245.01,142.022 ; J10.77@244.98,142 244.98,141.7 247.08,139.6 248.08,139.6 249.38,140.9 250.78,140.9 251.903,142.022 J11.77@265.33,142.022 ; J11.77@265.3,142 265.3,141.7 267.4,139.6 268.4,139.6 269.7,140.9 271.1,140.9 272.223,142.022 J12.77@285.65,142.022 ; J12.77@285.62,142 285.62,141.7 287.72,139.6 288.72,139.6 290.02,140.9 291.42,140.9 292.543,142.022 J13.77@305.97,142.022 ; J13.77@305.94,142 305.94,141.7 308.04,139.6 309.04,139.6 310.34,140.9 311.74,140.9 312.863,142.022 J14.77@326.29,142.022 ; J14.77@326.26,142 326.26,141.7 328.36,139.6 329.36,139.6 330.66,140.9 332.06,140.9 333.183,142.022 J15.77@346.61,142.022 ; J15.77@346.58,142 346.58,141.7 348.68,139.6 349.68,139.6 350.98,140.9 352.38,140.9 353.503,142.022 J16.77@366.93,142.022
BUS37: P9.1 U1.13 U11.1B8 | length 116.7
  Top Layer w0.127: P9.1@116,209 116,207.9 116.438,207.462 119.097,207.462 120.75,205.809 U11.1B8@120.75,205.75
  Bottom Layer w0.127: U1.13@51,143.135 51.835,143.135 52.6,143.9 52.6,149.64 57.438,154.478 57.438,167.009 82.759,192.33 111.94,192.33 121.81,202.2 121.81,204.72 U11.1B8@120.81,205.72
BUS37_N: J1.79 J2.79 J3.79 J4.79 J5.79 J6.79 J7.79 J8.79 J9.79 J10.79 J11.79 J12.79 J13.79 J14.79 J15.79 J16.79 R38.1 U1.14 | length 372.2
  Top Layer w0.127: R38.1@53.3,139.1 53.9,139.7 57.1,139.7 57.418,139.382 J1.79@62.23,139.382
  Bottom Layer w0.127: U1.14@51,144.405 49.605,144.405 48.8,143.6 48.8,137.5 50,136.3 57.1,136.3 58,137.2 58,139.1 58.3,139.4 J1.79@62.3,139.4 ; J1.79@62.1,139.4 62.1,139.1 64.2,137 65.2,137 66.5,138.3 67.9,138.3 69.023,139.422 J2.79@82.45,139.422 ; J2.79@82.42,139.4 82.42,139.1 84.52,137 85.52,137 86.82,138.3 88.22,138.3 89.343,139.422 J3.79@102.77,139.422 ; J3.79@102.74,139.4 102.74,139.1 104.84,137 105.84,137 107.14,138.3 108.54,138.3 109.663,139.422 J4.79@123.09,139.422 ; J4.79@123.06,139.4 123.06,139.1 125.16,137 126.16,137 127.46,138.3 128.86,138.3 129.983,139.422 J5.79@143.41,139.422 ; J5.79@143.38,139.4 143.38,139.1 145.48,137 146.48,137 147.78,138.3 149.18,138.3 150.303,139.422 J6.79@163.73,139.422 ; J6.79@163.7,139.4 163.7,139.1 165.8,137 166.8,137 168.1,138.3 169.5,138.3 170.623,139.422 J7.79@184.05,139.422 ; J7.79@184.02,139.4 184.02,139.1 186.12,137 187.12,137 188.42,138.3 189.82,138.3 190.943,139.422 J8.79@204.37,139.422 ; J8.79@204.34,139.4 204.34,139.1 206.44,137 207.44,137 208.74,138.3 210.14,138.3 211.263,139.422 J9.79@224.69,139.422 ; J9.79@224.66,139.4 224.66,139.1 226.76,137 227.76,137 229.06,138.3 230.46,138.3 231.583,139.422 J10.79@245.01,139.422 ; J10.79@244.98,139.4 244.98,139.1 247.08,137 248.08,137 249.38,138.3 250.78,138.3 251.903,139.422 J11.79@265.33,139.422 ; J11.79@265.3,139.4 265.3,139.1 267.4,137 268.4,137 269.7,138.3 271.1,138.3 272.223,139.422 J12.79@285.65,139.422 ; J12.79@285.62,139.4 285.62,139.1 287.72,137 288.72,137 290.02,138.3 291.42,138.3 292.543,139.422 J13.79@305.97,139.422 ; J13.79@305.94,139.4 305.94,139.1 308.04,137 309.04,137 310.34,138.3 311.74,138.3 312.863,139.422 J14.79@326.29,139.422 ; J14.79@326.26,139.4 326.26,139.1 328.36,137 329.36,137 330.66,138.3 332.06,138.3 333.183,139.422 J15.79@346.61,139.422 ; J15.79@346.58,139.4 346.58,139.1 348.68,137 349.68,137 350.98,138.3 352.38,138.3 353.503,139.422 J16.79@366.93,139.422
BUS37_P: J1.80 J2.80 J3.80 J4.80 J5.80 J6.80 J7.80 J8.80 J9.80 J10.80 J11.80 J12.80 J13.80 J14.80 J15.80 J16.80 R38.2 U1.15 | length 349.2
  Top Layer w0.127: R38.2@56,138.4 56.287,138.112 J1.80@59.69,138.112
  Bottom Layer w0.127: U1.15@50.7,145.7 49.5,145.7 48.5,144.7 48.5,137.441 49.941,136 57.2,136 58.3,137.1 58.3,137.9 58.512,138.112 J1.80@59.69,138.112 ; J1.80@59.6,138.1 62.5,138.1 63.9,136.7 65.5,136.7 66.8,138 79.758,138 J2.80@79.91,138.152 ; J2.80@79.92,138.1 82.82,138.1 84.22,136.7 85.82,136.7 87.12,138 100.078,138 J3.80@100.23,138.152 ; J3.80@100.24,138.1 103.14,138.1 104.54,136.7 106.14,136.7 107.44,138 120.398,138 J4.80@120.55,138.152 ; J4.80@120.56,138.1 123.46,138.1 124.86,136.7 126.46,136.7 127.76,138 140.718,138 J5.80@140.87,138.152 ; J5.80@140.88,138.1 143.78,138.1 145.18,136.7 146.78,136.7 148.08,138 161.038,138 J6.80@161.19,138.152 ; J6.80@161.2,138.1 164.1,138.1 165.5,136.7 167.1,136.7 168.4,138 181.358,138 J7.80@181.51,138.152 ; J7.80@181.52,138.1 184.42,138.1 185.82,136.7 187.42,136.7 188.72,138 201.678,138 J8.80@201.83,138.152 ; J8.80@201.84,138.1 204.74,138.1 206.14,136.7 207.74,136.7 209.04,138 221.998,138 J9.80@222.15,138.152 ; J9.80@222.16,138.1 225.06,138.1 226.46,136.7 228.06,136.7 229.36,138 242.318,138 J10.80@242.47,138.152 ; J10.80@242.48,138.1 245.38,138.1 246.78,136.7 248.38,136.7 249.68,138 262.638,138 J11.80@262.79,138.152 ; J11.80@262.8,138.1 265.7,138.1 267.1,136.7 268.7,136.7 270,138 282.958,138 J12.80@283.11,138.152 ; J12.80@283.12,138.1 286.02,138.1 287.42,136.7 289.02,136.7 290.32,138 303.278,138 J13.80@303.43,138.152 ; J13.80@303.44,138.1 306.34,138.1 307.74,136.7 309.34,136.7 310.64,138 323.598,138 J14.80@323.75,138.152 ; J14.80@323.76,138.1 326.66,138.1 328.06,136.7 329.66,136.7 330.96,138 343.918,138 J15.80@344.07,138.152 ; J15.80@344.08,138.1 346.98,138.1 348.38,136.7 349.98,136.7 351.28,138 364.238,138 J16.80@364.39,138.152
BUS38: P9.4 U1.3 U11.1B11 | length 120.2
  Bottom Layer w0.127: U1.3@55.8,144.405 54.595,144.405 54.2,144.8 54.2,149.3 58.2,153.3 58.2,166.693 81.547,190.04 112.66,190.04 124.78,202.16 U11.1B11@124.78,203.71 ; P9.4@118,211 119,210 119,207.8 119.746,207.054 123.146,207.054 123.7,206.5 123.7,205.4 124.6,204.5 124.6,203.9 U11.1B11@124.75,203.75
BUS38_N: J1.74 J2.74 J3.74 J4.74 J5.74 J6.74 J7.74 J8.74 J9.74 J10.74 J11.74 J12.74 J13.74 J14.74 J15.74 J16.74 R39.1 U1.2 | length 329.1
  Top Layer w0.127: R39.1@56,146.2 56.467,145.732 J1.74@59.69,145.732
  Bottom Layer w0.127: U1.2@56.832,145.732 J1.74@59.69,145.732 ; J1.74@59.6,145.8 62.5,145.8 63.9,144.4 65.5,144.4 66.8,145.7 79.758,145.7 J2.74@79.91,145.852 ; J2.74@79.92,145.8 82.82,145.8 84.22,144.4 85.82,144.4 87.12,145.7 100.078,145.7 J3.74@100.23,145.852 ; J3.74@100.24,145.8 103.14,145.8 104.54,144.4 106.14,144.4 107.44,145.7 120.398,145.7 J4.74@120.55,145.852 ; J4.74@120.56,145.8 123.46,145.8 124.86,144.4 126.46,144.4 127.76,145.7 140.718,145.7 J5.74@140.87,145.852 ; J5.74@140.88,145.8 143.78,145.8 145.18,144.4 146.78,144.4 148.08,145.7 161.038,145.7 J6.74@161.19,145.852 ; J6.74@161.2,145.8 164.1,145.8 165.5,144.4 167.1,144.4 168.4,145.7 181.358,145.7 J7.74@181.51,145.852 ; J7.74@181.52,145.8 184.42,145.8 185.82,144.4 187.42,144.4 188.72,145.7 201.678,145.7 J8.74@201.83,145.852 ; J8.74@201.84,145.8 204.74,145.8 206.14,144.4 207.74,144.4 209.04,145.7 221.998,145.7 J9.74@222.15,145.852 ; J9.74@222.16,145.8 225.06,145.8 226.46,144.4 228.06,144.4 229.36,145.7 242.318,145.7 J10.74@242.47,145.852 ; J10.74@242.48,145.8 245.38,145.8 246.78,144.4 248.38,144.4 249.68,145.7 262.638,145.7 J11.74@262.79,145.852 ; J11.74@262.8,145.8 265.7,145.8 267.1,144.4 268.7,144.4 270,145.7 282.958,145.7 J12.74@283.11,145.852 ; J12.74@283.12,145.8 286.02,145.8 287.42,144.4 289.02,144.4 290.32,145.7 303.278,145.7 J13.74@303.43,145.852 ; J13.74@303.44,145.8 306.34,145.8 307.74,144.4 309.34,144.4 310.64,145.7 323.598,145.7 J14.74@323.75,145.852 ; J14.74@323.76,145.8 326.66,145.8 328.06,144.4 329.66,144.4 330.96,145.7 343.918,145.7 J15.74@344.07,145.852 ; J15.74@344.08,145.8 346.98,145.8 348.38,144.4 349.98,144.4 351.28,145.7 364.238,145.7 J16.74@364.39,145.852
BUS38_P: J1.73 J2.73 J3.73 J4.73 J5.73 J6.73 J7.73 J8.73 J9.73 J10.73 J11.73 J12.73 J13.73 J14.73 J15.73 J16.73 R39.2 U1.1 | length 348.7
  Top Layer w0.127: R39.2@53.3,146.7 53.9,147.3 57.5,147.3 57.797,147.002 J1.73@62.23,147.002
  Bottom Layer w0.127: U1.1@56.803,147.002 J1.73@62.23,147.002 ; J1.73@62.1,147.1 62.1,146.8 64.2,144.7 65.2,144.7 66.5,146 67.9,146 69.023,147.122 J2.73@82.45,147.122 ; J2.73@82.42,147.1 82.42,146.8 84.52,144.7 85.52,144.7 86.82,146 88.22,146 89.343,147.122 J3.73@102.77,147.122 ; J3.73@102.74,146.8 104.84,144.7 105.84,144.7 107.14,146 108.54,146 109.663,147.122 J4.73@123.09,147.122 ; J4.73@123.06,146.8 125.16,144.7 126.16,144.7 127.46,146 128.86,146 129.983,147.122 J5.73@143.41,147.122 ; J5.73@143.38,146.8 145.48,144.7 146.48,144.7 147.78,146 149.18,146 150.303,147.122 J6.73@163.73,147.122 ; J6.73@163.7,146.8 165.8,144.7 166.8,144.7 168.1,146 169.5,146 170.623,147.122 J7.73@184.05,147.122 ; J7.73@184.02,146.8 186.12,144.7 187.12,144.7 188.42,146 189.82,146 190.943,147.122 J8.73@204.37,147.122 ; J8.73@204.34,146.8 206.44,144.7 207.44,144.7 208.74,146 210.14,146 211.263,147.122 J9.73@224.69,147.122 ; J9.73@224.66,146.8 226.76,144.7 227.76,144.7 229.06,146 230.46,146 231.583,147.122 J10.73@245.01,147.122 ; J10.73@244.98,146.8 247.08,144.7 248.08,144.7 249.38,146 250.78,146 251.903,147.122 J11.73@265.33,147.122 ; J11.73@265.3,146.8 267.4,144.7 268.4,144.7 269.7,146 271.1,146 272.223,147.122 J12.73@285.65,147.122 ; J12.73@285.62,146.8 287.72,144.7 288.72,144.7 290.02,146 291.42,146 292.543,147.122 J13.73@305.97,147.122 ; J13.73@305.94,146.8 308.04,144.7 309.04,144.7 310.34,146 311.74,146 312.863,147.122 J14.73@326.29,147.122 ; J14.73@326.26,146.8 328.36,144.7 329.36,144.7 330.66,146 332.06,146 333.183,147.122 J15.73@346.61,147.122 ; J15.73@346.58,146.8 348.68,144.7 349.68,144.7 350.98,146 352.38,146 353.503,147.122 J16.73@366.93,147.122
BUS39: P9.3 U1.5 U11.1B10 | length 120
  Bottom Layer w0.127: U1.5@55.8,141.865 55.765,141.9 54.1,141.9 53.7,142.3 53.7,149.4 57.946,153.646 57.946,166.799 81.967,190.82 112.31,190.82 123.75,202.26 123.75,204.72 U11.1B10@122.7,205.77 ; P9.3@118,209 118,207.4 118.6,206.8 121.7,206.8 U11.1B10@122.75,205.75